# Altium PCB top_INA_v1.PcbDoc (part 3 of 4) (continued)
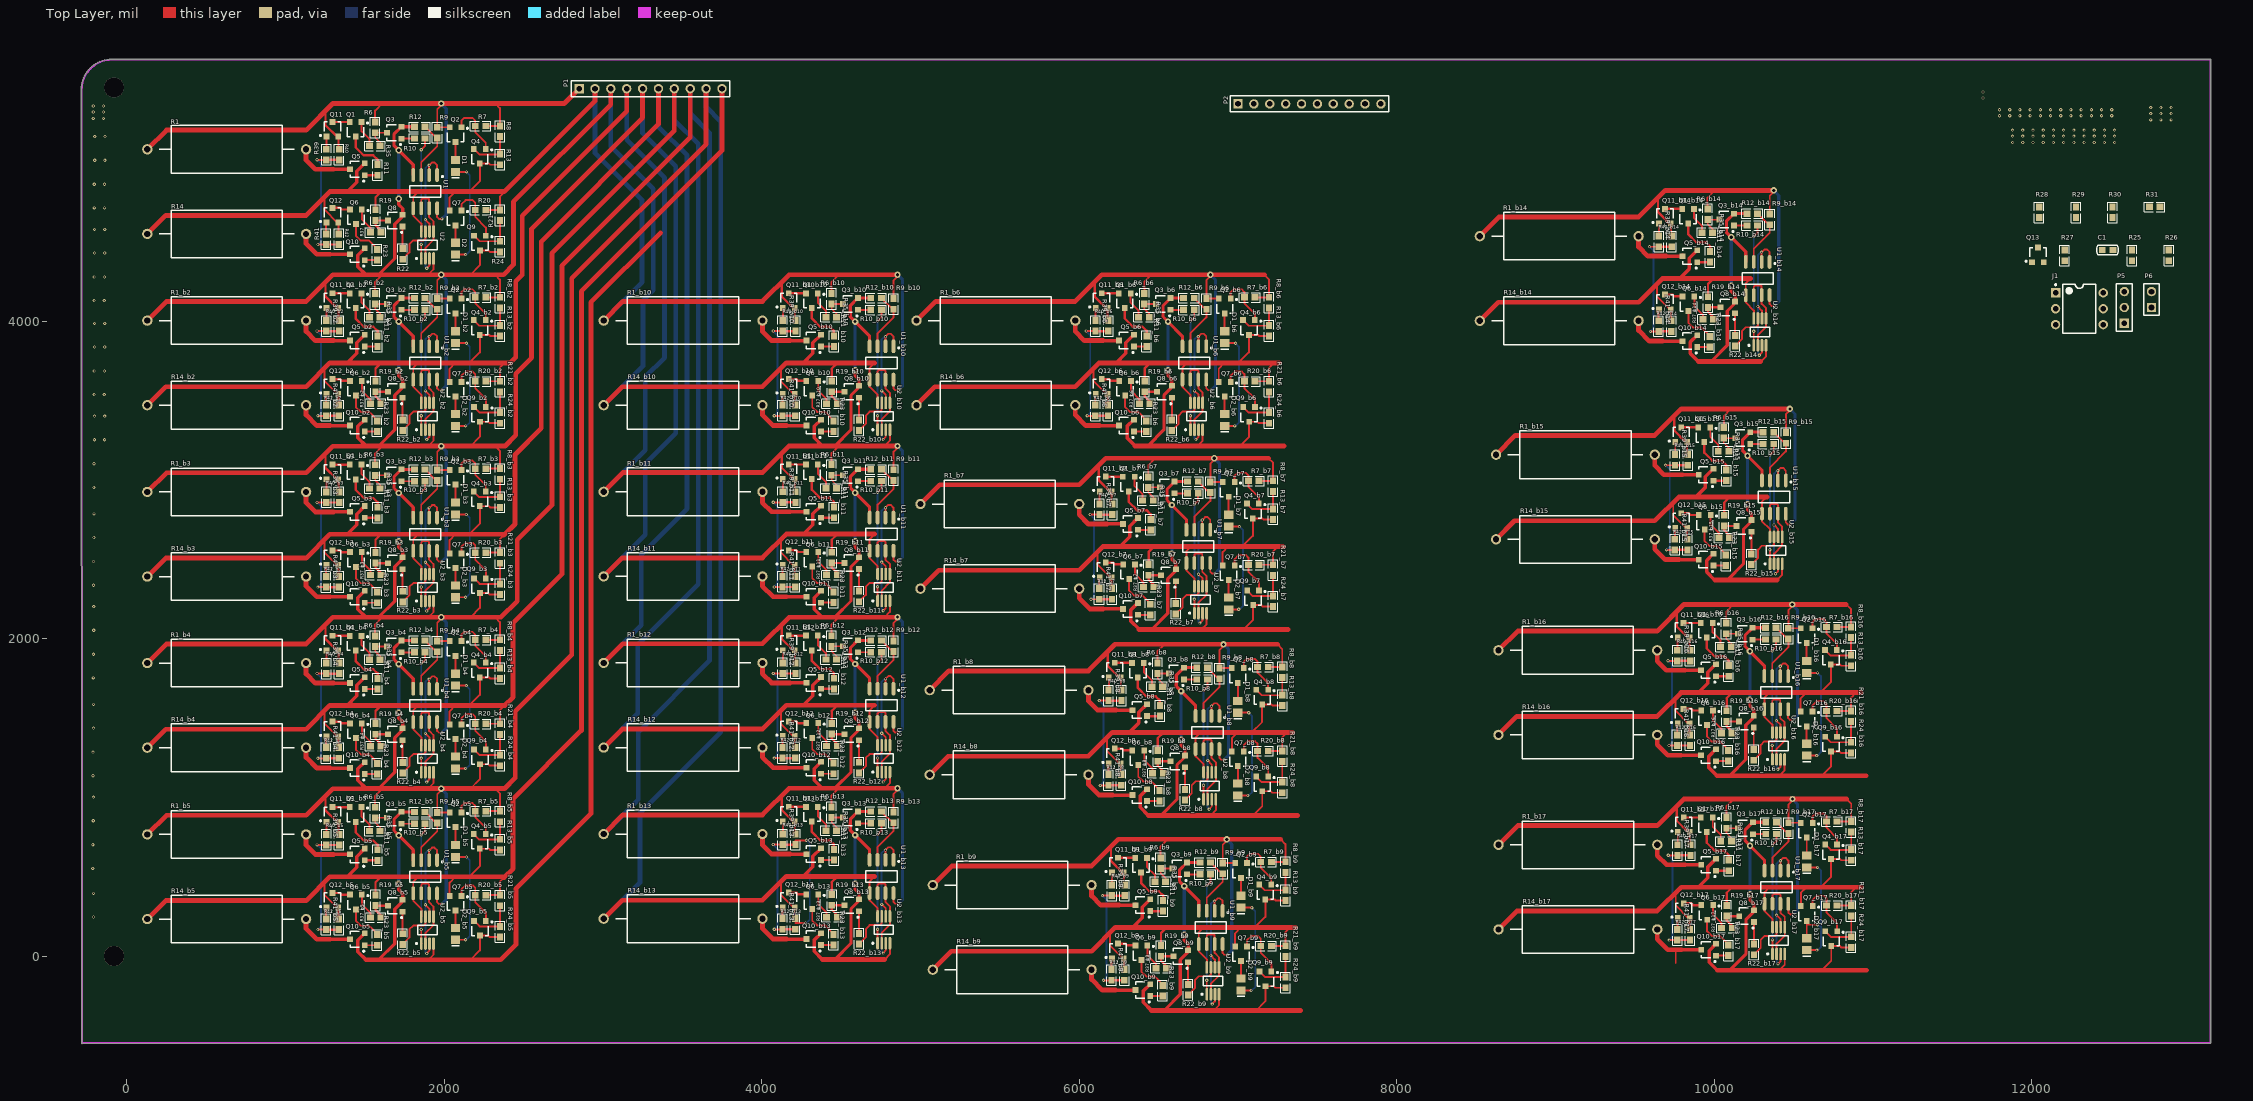
[diagram p0: Top Layer view]
## Nets (pads, with @x,y where several pads share a name; then routed paths per layer and width w, separated by ;. In a path a pad name is that pad's centre, name@x,y a point inside that pad or via, vN(x,y) a via of type N, cw(c..) or ccw(c..) an arc to the next point about the centre after c; other vN are vias at no path point) (continued)
  Bottom Layer w20: v2(10106.73,4223.28) v2(10106.73,4528.68) ; v2(10475.87,3447.02) 10507.87,3415.02 10507.87,2748.02 v1(10479.87,2720.02)
IN_A15: P2.4 Q2_b16.2 Q3_b15.2 Q4_b7.3 Q5_b7.2 Q7_b7.2 Q8_b15.2 Q10_b15.2 Q11_b16.2 Q12_b7.2 R1_b16.2 R6_b16.2 R7_b16.2 R8_b16.2 R9_b16.2 R12_b15.1 R13_b7.1 R14_b7.2 R19_b7.2 R20_b7.2 R21_b7.2 R40_b16.1 R42_b7.1 U1_b7.5 U1_b15.4 U1_b16.8 U2_b7.8 U2_b15.4 | length 10053.9
  Top Layer w12: 6116,2545.78 6116,2466 6195.26,2386.74 Q12_b7.2@6203.4,2386.74 6203.4,2318.06 R42_b7.1@6206,2315.46 ; 6705.87,2581.28 6674.87,2550.28 U1_b7.5@6674.87,2476.79 6674.87,2430.28 6725.48,2379.66 U2_b7.8@6725.48,2329.92 ; Q7_b7.2@6903.46,2461.54 6903.46,2544.87 6939.87,2581.28 ; 7027.87,2581.28 7093.87,2647.28 Q4_b7.3@7093.87,2758.02 7152.13,2758.02 7159.33,2750.81 R13_b7.1@7220.87,2750.81 ; R20_b7.2@7132.8,2465.74 R21_b7.2@7220.87,2465.74 7220.87,2550.28 7251.87,2581.28 ; Q11_b16.2@9843.4,2006.74 9843.4,1932.06 R40_b16.1@9848,1927.46 ; R6_b16.2@10074.87,2098.2 10074.87,2170.53 10119.61,2215.28 ; 10392.87,2368.02 10393.8,2368.94 10427.25,2402.4 U2_b15.4@10427.25,2471.37 ; U1_b16.8@10464.87,1555.79 10464.87,1500.28 10476.87,1488.28 v1(10494.87,1488.28) ; v2(10490.87,2215.28) 10490.87,2205.28 10465.87,2180.28 R9_b16.2@10465.87,2065.74 10543.26,2065.74 Q2_b16.2@10543.46,2065.54 ; R7_b16.2@10772.33,2073.28 10860.4,2073.28 R8_b16.2@10860.87,2073.74 10860.87,2185.66 10831.25,2215.28
  Top Layer w15: R19_b7.2@6436.87,2466.74 6436.87,2546.28 6471.87,2581.28 6475.87,2581.28 ; 9762,2164.53 9762,2078.56 Q11_b16.2@9833.82,2006.74
  Top Layer w20: Q11_b16.2@9833.82,2006.74 Q11_b16.2@9843.4,2006.74 ; 10083.87,2371.55 10182.87,2470.55 10182.87,2687.57 10233.13,2737.83 10233.13,2785.76 10208.73,2810.15 v2(10208.73,2847.02) ; 10103.87,2368.02 10104.8,2368.94 ; U1_b15.4@10299.87,2996.5 10299.87,3061.28 v2(10208.73,3152.42) 10177.73,3183.42 10177.73,3252.56 Q3_b15.2@10225.99,3300.82 R12_b15.1@10306.87,3300.82
  Top Layer w22: 6257.87,2581.28 6317.87,2641.28 6317.87,2708.42 Q5_b7.2@6369.13,2759.68 ; Q10_b15.2@9994.13,2535.42 9950.87,2492.16 9950.87,2420.02 10001.94,2368.94
  Top Layer w30: R14_b7.2@5000,2315 5116.28,2431.28 6000,2431.28 6150,2581.28 6257.87,2581.28 6471.87,2581.28 ; 6475.87,2581.28 6705.87,2581.28 6939.87,2581.28 7027.87,2581.28 7251.87,2581.28 7285.4,2581.28 ; R1_b16.2@8640,1927 8761.02,2048.02 9640,2048.02 9807.25,2215.28 10119.61,2215.28 v2(10490.87,2215.28) ; 10001.94,2368.94 10104.8,2368.94 10393.8,2368.94 ; v2@10500.87,2215.28 10831.25,2215.28
  Bottom Layer w20: v2(10208.73,2847.02) v2(10208.73,3152.42) ; v2(10490.87,2215.28) 10522.87,2183.28 10522.87,1516.28 v1(10494.87,1488.28)
IN_A16: P2.6 Q2_b17.2 Q3_b16.2 Q4_b8.3 Q5_b8.2 Q7_b8.2 Q8_b16.2 Q9_b16.3 Q10_b16.2 Q11_b17.2 Q12_b8.2 R1_b17.2 R6_b17.2 R7_b17.2 R8_b17.2 R9_b17.2 R12_b16.1 R13_b8.1 R14_b8.2 R19_b8.2 R20_b8.2 R21_b8.2 R24_b16.1 R40_b17.1 R42_b8.1 U1_b8.5 U1_b16.4 U1_b17.8 U2_b8.8 U2_b16.4 | length 10908.8
  Top Layer w12: 6174,1373.78 6174,1294 6253.26,1214.74 Q12_b8.2@6261.4,1214.74 6261.4,1146.06 R42_b8.1@6264,1143.46 ; 6763.87,1409.28 6732.87,1378.28 U1_b8.5@6732.87,1304.79 6732.87,1258.28 6783.48,1207.66 U2_b8.8@6783.48,1157.92 ; Q7_b8.2@6961.46,1289.54 6961.46,1372.87 6997.87,1409.28 ; 7085.87,1409.28 7151.87,1475.28 Q4_b8.3@7151.87,1586.02 7210.13,1586.02 7217.33,1578.81 R13_b8.1@7278.87,1578.81 ; R20_b8.2@7190.8,1293.74 R21_b8.2@7278.87,1293.74 7278.87,1378.28 7309.87,1409.28 ; Q11_b17.2@9844.4,781.48 9844.4,706.8 R40_b17.1@9849,702.2 ; R6_b17.2@10075.87,872.94 10075.87,945.27 10120.61,990.02 ; 10407.87,1136.28 10408.8,1137.2 10442.25,1170.66 U2_b16.4@10442.25,1239.63 ; U1_b17.8@10465.87,330.53 10465.87,275.02 10477.87,263.02 v1(10495.87,263.02) ; v2(10491.87,990.02) 10491.87,980.02 10466.87,955.02 R9_b17.2@10466.87,840.48 10544.26,840.48 Q2_b17.2@10544.46,840.28 ; 10675.25,1137.2 10734.87,1196.82 Q9_b16.3@10734.87,1290.02 10787.61,1290.02 10796.81,1280.81 R24_b16.1@10860.87,1280.81 ; R7_b17.2@10773.33,848.02 10861.4,848.02 R8_b17.2@10861.87,848.48 10861.87,960.4 10832.25,990.02
  Top Layer w15: R19_b8.2@6494.87,1294.74 6494.87,1374.28 6529.87,1409.28 6533.87,1409.28 ; 9763,939.27 9763,853.3 Q11_b17.2@9834.82,781.48
  Top Layer w20: Q11_b17.2@9834.82,781.48 Q11_b17.2@9844.4,781.48 ; 10098.87,1139.81 10197.87,1238.81 10197.87,1455.83 10248.13,1506.09 10248.13,1554.02 10223.73,1578.41 v2(10223.73,1615.28) ; 10118.87,1136.28 10119.8,1137.2 ; U1_b16.4@10314.87,1764.76 10314.87,1829.54 v2(10223.73,1920.68) 10192.73,1951.68 10192.73,2020.82 Q3_b16.2@10240.99,2069.08 R12_b16.1@10321.87,2069.08
  Top Layer w22: 6315.87,1409.28 6375.87,1469.28 6375.87,1536.42 Q5_b8.2@6427.13,1587.68 ; Q10_b16.2@10009.13,1303.68 9965.87,1260.42 9965.87,1188.28 10016.94,1137.2
  Top Layer w30: R14_b8.2@5058,1143 5174.28,1259.28 6058,1259.28 6208,1409.28 6315.87,1409.28 6529.87,1409.28 ; 6533.87,1409.28 6763.87,1409.28 6997.87,1409.28 7085.87,1409.28 7309.87,1409.28 7343.4,1409.28 ; R1_b17.2@8641,701.74 8762.02,822.76 9641,822.76 9808.25,990.02 10120.61,990.02 v2(10491.87,990.02) ; 10016.94,1137.2 10119.8,1137.2 10408.8,1137.2 10675.25,1137.2 10956.32,1137.2 ; v2@10501.87,990.02 10832.25,990.02
  Bottom Layer w20: v2(10223.73,1615.28) v2(10223.73,1920.68) ; v2(10491.87,990.02) 10523.87,958.02 10523.87,291.02 v1(10495.87,263.02)
IN_A17: R25.1
IN_B8: P2.8 Q3_b17.2 Q4_b9.3 Q5_b9.2 Q7_b9.2 Q8_b17.2 Q9_b17.3 Q10_b17.2 Q12_b9.2 R12_b17.1 R13_b9.1 R14_b9.2 R19_b9.2 R20_b9.2 R21_b9.2 R24_b17.1 R42_b9.1 U1_b9.5 U1_b17.4 U2_b9.8 U2_b17.4 | length 6871.8
  Top Layer w12: 6194,145.78 6194,66 6273.26,-13.26 Q12_b9.2@6281.4,-13.26 6281.4,-81.94 R42_b9.1@6284,-84.54 ; 6783.87,181.28 6752.87,150.28 U1_b9.5@6752.87,76.79 6752.87,30.28 6803.48,-20.34 U2_b9.8@6803.48,-70.08 ; Q7_b9.2@6981.46,61.54 6981.46,144.87 7017.87,181.28 ; 7105.87,181.28 7171.87,247.28 Q4_b9.3@7171.87,358.02 7230.13,358.02 7237.33,350.81 R13_b9.1@7298.87,350.81 ; R20_b9.2@7210.8,65.74 R21_b9.2@7298.87,65.74 7298.87,150.28 7329.87,181.28 ; 10408.87,-88.98 10409.8,-88.06 10443.25,-54.6 U2_b17.4@10443.25,14.37 ; 10676.25,-88.06 10735.87,-28.44 Q9_b17.3@10735.87,64.76 10788.61,64.76 10797.81,55.55 R24_b17.1@10861.87,55.55
  Top Layer w15: R19_b9.2@6514.87,66.74 6514.87,146.28 6549.87,181.28 6553.87,181.28
  Top Layer w20: 10099.87,-85.45 10198.87,13.55 10198.87,230.57 10249.13,280.83 10249.13,328.76 10224.73,353.15 v2(10224.73,390.02) ; 10119.87,-88.98 10120.8,-88.06 ; U1_b17.4@10315.87,539.5 10315.87,604.28 v2(10224.73,695.42) 10193.73,726.42 10193.73,795.56 Q3_b17.2@10241.99,843.82 R12_b17.1@10322.87,843.82
  Top Layer w22: 6335.87,181.28 6395.87,241.28 6395.87,308.42 Q5_b9.2@6447.13,359.68 ; Q10_b17.2@10010.13,78.42 9966.87,35.16 9966.87,-36.98 10017.94,-88.06
  Top Layer w30: R14_b9.2@5078,-85 5194.28,31.28 6078,31.28 6228,181.28 6335.87,181.28 6549.87,181.28 ; 6553.87,181.28 6783.87,181.28 7017.87,181.28 7105.87,181.28 7329.87,181.28 7363.4,181.28 ; 10017.94,-88.06 10120.8,-88.06 10409.8,-88.06 10676.25,-88.06 10957.32,-88.06
  Bottom Layer w20: v2(10224.73,390.02) v2(10224.73,695.42)
IN_C8: P2.9 P2.10 Q3_b9.2 Q8_b9.2 Q9_b9.3 Q10_b9.2 Q13.2 R12_b9.1 R24_b9.1 R28.1 U1_b9.4 U2_b9.4 | length 2879.7
  Top Layer w12: 6845.87,-342.72 6846.8,-341.8 6880.25,-308.34 U2_b9.4@6880.25,-239.37 ; 7113.25,-341.8 7172.87,-282.18 Q9_b9.3@7172.87,-188.98 7225.61,-188.98 7234.81,-198.19 R24_b9.1@7298.87,-198.19
  Top Layer w20: 6536.87,-339.19 6635.87,-240.19 6635.87,-23.17 6686.13,27.09 Q8_b9.2@6686.13,36.68 6686.13,75.02 6661.73,99.41 v2(6661.73,136.28) ; 6556.87,-342.72 6557.8,-341.8 ; U1_b9.4@6752.87,285.76 6752.87,350.54 v2(6661.73,441.68) 6630.73,472.68 6630.73,541.82 Q3_b9.2@6678.99,590.08 R12_b9.1@6759.87,590.08
  Top Layer w22: Q10_b9.2@6447.13,-175.32 6403.87,-218.58 6403.87,-290.72 6454.94,-341.8
  Top Layer w30: 6454.94,-341.8 6557.8,-341.8 6846.8,-341.8 7113.25,-341.8 7394.32,-341.8
  Bottom Layer w20: v2(6661.73,136.28) v2(6661.73,441.68)
NetD1_1: D1.1 Q2.3 | length 113.3
  Top Layer w12: D1.1@2071.87,5014.94 Q2.3@2071.87,5128.28
NetD1_b2_1: D1_b2.1 Q2_b2.3 | length 113.3
  Top Layer w12: D1_b2.1@2071.87,3935.94 Q2_b2.3@2071.87,4049.28
NetD1_b3_1: D1_b3.1 Q2_b3.3 | length 113.3
  Top Layer w12: D1_b3.1@2071.87,2856.94 Q2_b3.3@2071.87,2970.28
NetD1_b4_1: D1_b4.1 Q2_b4.3 | length 113.3
  Top Layer w12: D1_b4.1@2071.87,1778.94 Q2_b4.3@2071.87,1892.28
NetD1_b5_1: D1_b5.1 Q2_b5.3 | length 113.3
  Top Layer w12: D1_b5.1@2071.87,699.94 Q2_b5.3@2071.87,813.28
NetD1_b6_1: D1_b6.1 Q2_b6.3 | length 113.3
  Top Layer w12: D1_b6.1@6915.87,3935.94 Q2_b6.3@6915.87,4049.28
NetD1_b7_1: D1_b7.1 Q2_b7.3 | length 113.3
  Top Layer w12: D1_b7.1@6940.87,2780.68 Q2_b7.3@6940.87,2894.02
NetD1_b8_1: D1_b8.1 Q2_b8.3 | length 113.3
  Top Layer w12: D1_b8.1@6998.87,1608.68 Q2_b8.3@6998.87,1722.02
NetD1_b9_1: D1_b9.1 Q2_b9.3 | length 113.3
  Top Layer w12: D1_b9.1@7018.87,380.68 Q2_b9.3@7018.87,494.02
NetD1_b10_1: 
NetD1_b11_1: 
NetD1_b12_1: 
NetD1_b13_1: 
NetD1_b14_1: 
NetD1_b15_1: 
NetD1_b16_1: D1_b16.1 Q2_b16.3 | length 113.3
  Top Layer w12: D1_b16.1@10580.87,1859.68 Q2_b16.3@10580.87,1973.02
NetD1_b17_1: D1_b17.1 Q2_b17.3 | length 113.3
  Top Layer w12: D1_b17.1@10581.87,634.42 Q2_b17.3@10581.87,747.76
NetD2_1: D2.1 Q7.3 | length 109.3
  Top Layer w12: D2.1@2071.87,4493.94 Q7.3@2071.87,4603.28
NetD2_b2_1: D2_b2.1 Q7_b2.3 | length 109.3
  Top Layer w12: D2_b2.1@2071.87,3414.94 Q7_b2.3@2071.87,3524.28
NetD2_b3_1: D2_b3.1 Q7_b3.3 | length 109.3
  Top Layer w12: D2_b3.1@2071.87,2335.94 Q7_b3.3@2071.87,2445.28
NetD2_b4_1: D2_b4.1 Q7_b4.3 | length 109.3
  Top Layer w12: D2_b4.1@2071.87,1257.94 Q7_b4.3@2071.87,1367.28
NetD2_b5_1: D2_b5.1 Q7_b5.3 | length 109.3
  Top Layer w12: D2_b5.1@2071.87,178.94 Q7_b5.3@2071.87,288.28
NetD2_b6_1: D2_b6.1 Q7_b6.3 | length 109.3
  Top Layer w12: D2_b6.1@6915.87,3414.94 Q7_b6.3@6915.87,3524.28
NetD2_b7_1: D2_b7.1 Q7_b7.3 | length 109.3
  Top Layer w12: D2_b7.1@6940.87,2259.68 Q7_b7.3@6940.87,2369.02
NetD2_b8_1: D2_b8.1 Q7_b8.3 | length 109.3
  Top Layer w12: D2_b8.1@6998.87,1087.68 Q7_b8.3@6998.87,1197.02
NetD2_b9_1: D2_b9.1 Q7_b9.3 | length 109.3
  Top Layer w12: D2_b9.1@7018.87,-140.32 Q7_b9.3@7018.87,-30.98
NetD2_b10_1: 
NetD2_b11_1: 
NetD2_b12_1: 
NetD2_b13_1: 
NetD2_b14_1: 
NetD2_b15_1: 
NetD2_b16_1: D2_b16.1 Q7_b16.3 | length 109.3
  Top Layer w12: D2_b16.1@10580.87,1338.68 Q7_b16.3@10580.87,1448.02
NetD2_b17_1: D2_b17.1 Q7_b17.3 | length 109.3
  Top Layer w12: D2_b17.1@10581.87,113.42 Q7_b17.3@10581.87,222.76
NetJ1_1: J1.1 R25.2
NetJ1_2: J1.2 Q13.3
NetJ1_5: J1.5 R27.1
NetJ1_6: J1.6 R26.1
NetQ1_1: Q1.1 R35.2 | length 171.2
  Top Layer w12: Q1.1@1479.8,5254.26 1479.8,5195.06 1530.4,5144.46 R35.2@1530.4,5104
NetQ1_2: Q1.2 Q11.3 | length 107.7
  Top Layer w15: Q11.3@1297.26,5254.26 Q1.2@1405,5254.26
NetQ1_3: Q1.3 R11.2 | length 268.8
  Top Layer w15: Q1.3@1442.4,5161.74 1442.4,5095.46 1493.87,5044 1554.26,5044 1581,5017.26 R11.2@1581,4985.72
NetQ1_b2_1: Q1_b2.1 R35_b2.2 | length 171.2
  Top Layer w12: Q1_b2.1@1479.8,4175.26 1479.8,4116.06 1530.4,4065.46 R35_b2.2@1530.4,4025
NetQ1_b2_2: Q1_b2.2 Q11_b2.3 | length 107.7
  Top Layer w15: Q11_b2.3@1297.26,4175.26 Q1_b2.2@1405,4175.26
NetQ1_b2_3: Q1_b2.3 R11_b2.2 | length 268.8
  Top Layer w15: Q1_b2.3@1442.4,4082.74 1442.4,4016.46 1493.87,3965 1554.26,3965 1581,3938.26 R11_b2.2@1581,3906.72
NetQ1_b3_1: Q1_b3.1 R35_b3.2 | length 171.2
  Top Layer w12: Q1_b3.1@1479.8,3096.26 1479.8,3037.06 1530.4,2986.46 R35_b3.2@1530.4,2946
NetQ1_b3_2: Q1_b3.2 Q11_b3.3 | length 107.7
  Top Layer w15: Q11_b3.3@1297.26,3096.26 Q1_b3.2@1405,3096.26
NetQ1_b3_3: Q1_b3.3 R11_b3.2 | length 268.8
  Top Layer w15: Q1_b3.3@1442.4,3003.74 1442.4,2937.46 1493.87,2886 1554.26,2886 1581,2859.26 R11_b3.2@1581,2827.72
NetQ1_b4_1: Q1_b4.1 R35_b4.2 | length 171.2
  Top Layer w12: Q1_b4.1@1479.8,2018.26 1479.8,1959.06 1530.4,1908.46 R35_b4.2@1530.4,1868
NetQ1_b4_2: Q1_b4.2 Q11_b4.3 | length 107.7
  Top Layer w15: Q11_b4.3@1297.26,2018.26 Q1_b4.2@1405,2018.26
NetQ1_b4_3: Q1_b4.3 R11_b4.2 | length 268.8
  Top Layer w15: Q1_b4.3@1442.4,1925.74 1442.4,1859.46 1493.87,1808 1554.26,1808 1581,1781.26 R11_b4.2@1581,1749.72
NetQ1_b5_1: Q1_b5.1 R35_b5.2 | length 171.2
  Top Layer w12: Q1_b5.1@1479.8,939.26 1479.8,880.06 1530.4,829.46 R35_b5.2@1530.4,789
NetQ1_b5_2: Q1_b5.2 Q11_b5.3 | length 107.7
  Top Layer w15: Q11_b5.3@1297.26,939.26 Q1_b5.2@1405,939.26
NetQ1_b5_3: Q1_b5.3 R11_b5.2 | length 268.8
  Top Layer w15: Q1_b5.3@1442.4,846.74 1442.4,780.46 1493.87,729 1554.26,729 1581,702.26 R11_b5.2@1581,670.72
NetQ1_b6_1: Q1_b6.1 R35_b6.2 | length 171.2
  Top Layer w12: Q1_b6.1@6323.8,4175.26 6323.8,4116.06 6374.4,4065.46 R35_b6.2@6374.4,4025
NetQ1_b6_2: Q1_b6.2 Q11_b6.3 | length 107.7
  Top Layer w15: Q11_b6.3@6141.26,4175.26 Q1_b6.2@6249,4175.26
NetQ1_b6_3: Q1_b6.3 R11_b6.2 | length 268.8
  Top Layer w15: Q1_b6.3@6286.4,4082.74 6286.4,4016.46 6337.87,3965 6398.26,3965 6425,3938.26 R11_b6.2@6425,3906.72
NetQ1_b7_1: Q1_b7.1 R35_b7.2 | length 171.2
  Top Layer w12: Q1_b7.1@6348.8,3020 6348.8,2960.8 6399.4,2910.2 R35_b7.2@6399.4,2869.74
NetQ1_b7_2: Q1_b7.2 Q11_b7.3 | length 107.7
  Top Layer w15: Q11_b7.3@6166.26,3020 Q1_b7.2@6274,3020
NetQ1_b7_3: Q1_b7.3 R11_b7.2 | length 268.8
  Top Layer w15: Q1_b7.3@6311.4,2927.48 6311.4,2861.2 6362.87,2809.74 6423.26,2809.74 6450,2783 R11_b7.2@6450,2751.46
NetQ1_b8_1: Q1_b8.1 R35_b8.2 | length 171.2
  Top Layer w12: Q1_b8.1@6406.8,1848 6406.8,1788.8 6457.4,1738.2 R35_b8.2@6457.4,1697.74
NetQ1_b8_2: Q1_b8.2 Q11_b8.3 | length 107.7
  Top Layer w15: Q11_b8.3@6224.26,1848 Q1_b8.2@6332,1848
NetQ1_b8_3: Q1_b8.3 R11_b8.2 | length 268.8
  Top Layer w15: Q1_b8.3@6369.4,1755.48 6369.4,1689.2 6420.87,1637.74 6481.26,1637.74 6508,1611 R11_b8.2@6508,1579.46
NetQ1_b9_1: Q1_b9.1 R35_b9.2 | length 171.2
  Top Layer w12: Q1_b9.1@6426.8,620 6426.8,560.8 6477.4,510.2 R35_b9.2@6477.4,469.74
NetQ1_b9_2: Q1_b9.2 Q11_b9.3 | length 107.7
  Top Layer w15: Q11_b9.3@6244.26,620 Q1_b9.2@6352,620
NetQ1_b9_3: Q1_b9.3 R11_b9.2 | length 268.8
  Top Layer w15: Q1_b9.3@6389.4,527.48 6389.4,461.2 6440.87,409.74 6501.26,409.74 6528,383 R11_b9.2@6528,351.46
NetQ1_b10_1: Q1_b10.1 R35_b10.2 | length 171.2
  Top Layer w12: Q1_b10.1@4353.8,4175.26 4353.8,4116.06 4404.4,4065.46 R35_b10.2@4404.4,4025
NetQ1_b10_2: Q1_b10.2 Q11_b10.3 | length 107.7
  Top Layer w15: Q11_b10.3@4171.26,4175.26 Q1_b10.2@4279,4175.26
NetQ1_b10_3: Q1_b10.3 R11_b10.2 | length 268.8
  Top Layer w15: Q1_b10.3@4316.4,4082.74 4316.4,4016.46 4367.87,3965 4428.26,3965 4455,3938.26 R11_b10.2@4455,3906.72
NetQ1_b11_1: Q1_b11.1 R35_b11.2 | length 171.2
  Top Layer w12: Q1_b11.1@4353.8,3097.26 4353.8,3038.06 4404.4,2987.46 R35_b11.2@4404.4,2947
NetQ1_b11_2: Q1_b11.2 Q11_b11.3 | length 107.7
  Top Layer w15: Q11_b11.3@4171.26,3097.26 Q1_b11.2@4279,3097.26
NetQ1_b11_3: Q1_b11.3 R11_b11.2 | length 268.8
  Top Layer w15: Q1_b11.3@4316.4,3004.74 4316.4,2938.46 4367.87,2887 4428.26,2887 4455,2860.26 R11_b11.2@4455,2828.72
NetQ1_b12_1: Q1_b12.1 R35_b12.2 | length 171.2
  Top Layer w12: Q1_b12.1@4353.8,2019.26 4353.8,1960.06 4404.4,1909.46 R35_b12.2@4404.4,1869
NetQ1_b12_2: Q1_b12.2 Q11_b12.3 | length 107.7
  Top Layer w15: Q11_b12.3@4171.26,2019.26 Q1_b12.2@4279,2019.26
NetQ1_b12_3: Q1_b12.3 R11_b12.2 | length 268.8
  Top Layer w15: Q1_b12.3@4316.4,1926.74 4316.4,1860.46 4367.87,1809 4428.26,1809 4455,1782.26 R11_b12.2@4455,1750.72
NetQ1_b13_1: Q1_b13.1 R35_b13.2 | length 171.2
  Top Layer w12: Q1_b13.1@4353.8,941.26 4353.8,882.06 4404.4,831.46 R35_b13.2@4404.4,791
NetQ1_b13_2: Q1_b13.2 Q11_b13.3 | length 107.7
  Top Layer w15: Q11_b13.3@4171.26,941.26 Q1_b13.2@4279,941.26
NetQ1_b13_3: Q1_b13.3 R11_b13.2 | length 268.8
  Top Layer w15: Q1_b13.3@4316.4,848.74 4316.4,782.46 4367.87,731 4428.26,731 4455,704.26 R11_b13.2@4455,672.72
NetQ1_b14_1: Q1_b14.1 R35_b14.2 | length 171.2
  Top Layer w12: Q1_b14.1@9871.8,4707 9871.8,4647.8 9922.4,4597.2 R35_b14.2@9922.4,4556.74
NetQ1_b14_2: Q1_b14.2 Q11_b14.3 | length 107.7
  Top Layer w15: Q11_b14.3@9689.26,4707 Q1_b14.2@9797,4707
NetQ1_b14_3: Q1_b14.3 R11_b14.2 | length 268.8
  Top Layer w15: Q1_b14.3@9834.4,4614.48 9834.4,4548.2 9885.87,4496.74 9946.26,4496.74 9973,4470 R11_b14.2@9973,4438.46
NetQ1_b15_1: Q1_b15.1 R35_b15.2 | length 171.2
  Top Layer w12: Q1_b15.1@9973.8,3330.74 9973.8,3271.54 10024.4,3220.94 R35_b15.2@10024.4,3180.48
NetQ1_b15_2: Q1_b15.2 Q11_b15.3 | length 107.7
  Top Layer w15: Q11_b15.3@9791.26,3330.74 Q1_b15.2@9899,3330.74
NetQ1_b15_3: Q1_b15.3 R11_b15.2 | length 268.8
  Top Layer w15: Q1_b15.3@9936.4,3238.22 9936.4,3171.94 9987.87,3120.48 10048.26,3120.48 10075,3093.74 R11_b15.2@10075,3062.2
NetQ1_b16_1: Q1_b16.1 R35_b16.2 | length 171.2
  Top Layer w12: Q1_b16.1@9988.8,2099 9988.8,2039.8 10039.4,1989.2 R35_b16.2@10039.4,1948.74
NetQ1_b16_2: Q1_b16.2 Q11_b16.3 | length 107.7
  Top Layer w15: Q11_b16.3@9806.26,2099 Q1_b16.2@9914,2099
NetQ1_b16_3: Q1_b16.3 R11_b16.2 | length 268.8
  Top Layer w15: Q1_b16.3@9951.4,2006.48 9951.4,1940.2 10002.87,1888.74 10063.26,1888.74 10090,1862 R11_b16.2@10090,1830.46
NetQ1_b17_1: Q1_b17.1 R35_b17.2 | length 171.2
  Top Layer w12: Q1_b17.1@9989.8,873.74 9989.8,814.54 10040.4,763.94 R35_b17.2@10040.4,723.48
NetQ1_b17_2: Q1_b17.2 Q11_b17.3 | length 107.7
  Top Layer w15: Q11_b17.3@9807.26,873.74 Q1_b17.2@9915,873.74
NetQ1_b17_3: Q1_b17.3 R11_b17.2 | length 268.8
  Top Layer w15: Q1_b17.3@9952.4,781.22 9952.4,714.94 10003.87,663.48 10064.26,663.48 10091,636.74 R11_b17.2@10091,605.2
NetQ2_1: Q2.1 Q4.1 R7.1 | length 346.7
  Top Layer w12: Q2.1@2109.27,5220.8 2109.27,5260.94 2127.87,5279.54 2178.87,5279.54 2196.4,5262 R7.1@2196.4,5228.54 2196.4,5190.2 2262.27,5124.33 Q4.1@2262.27,5084.8
NetQ2_b2_1: Q2_b2.1 Q4_b2.1 R7_b2.1 | length 346.7
  Top Layer w12: Q2_b2.1@2109.27,4141.8 2109.27,4181.94 2127.87,4200.54 2178.87,4200.54 2196.4,4183 R7_b2.1@2196.4,4149.54 2196.4,4111.2 2262.27,4045.33 Q4_b2.1@2262.27,4005.8
NetQ2_b3_1: Q2_b3.1 Q4_b3.1 R7_b3.1 | length 346.7
  Top Layer w12: Q2_b3.1@2109.27,3062.8 2109.27,3102.94 2127.87,3121.54 2178.87,3121.54 2196.4,3104 R7_b3.1@2196.4,3070.54 2196.4,3032.2 2262.27,2966.33 Q4_b3.1@2262.27,2926.8
NetQ2_b4_1: Q2_b4.1 Q4_b4.1 R7_b4.1 | length 346.7
  Top Layer w12: Q2_b4.1@2109.27,1984.8 2109.27,2024.94 2127.87,2043.54 2178.87,2043.54 2196.4,2026 R7_b4.1@2196.4,1992.54 2196.4,1954.2 2262.27,1888.33 Q4_b4.1@2262.27,1848.8
NetQ2_b5_1: Q2_b5.1 Q4_b5.1 R7_b5.1 | length 346.7
  Top Layer w12: Q2_b5.1@2109.27,905.8 2109.27,945.94 2127.87,964.54 2178.87,964.54 2196.4,947 R7_b5.1@2196.4,913.54 2196.4,875.2 2262.27,809.33 Q4_b5.1@2262.27,769.8
NetQ2_b6_1: Q2_b6.1 Q4_b6.1 R7_b6.1 | length 346.7
  Top Layer w12: Q2_b6.1@6953.27,4141.8 6953.27,4181.94 6971.87,4200.54 7022.87,4200.54 7040.4,4183 R7_b6.1@7040.4,4149.54 7040.4,4111.2 7106.27,4045.33 Q4_b6.1@7106.27,4005.8
NetQ2_b7_1: Q2_b7.1 Q4_b7.1 R7_b7.1 | length 346.7
  Top Layer w12: Q2_b7.1@6978.27,2986.54 6978.27,3026.68 6996.87,3045.28 7047.87,3045.28 7065.4,3027.74 R7_b7.1@7065.4,2994.28 7065.4,2955.94 7131.27,2890.07 Q4_b7.1@7131.27,2850.54
NetQ2_b8_1: Q2_b8.1 Q4_b8.1 R7_b8.1 | length 346.7
  Top Layer w12: Q2_b8.1@7036.27,1814.54 7036.27,1854.68 7054.87,1873.28 7105.87,1873.28 7123.4,1855.74 R7_b8.1@7123.4,1822.28 7123.4,1783.94 7189.27,1718.07 Q4_b8.1@7189.27,1678.54
NetQ2_b9_1: Q2_b9.1 Q4_b9.1 R7_b9.1 | length 346.7
  Top Layer w12: Q2_b9.1@7056.27,586.54 7056.27,626.68 7074.87,645.28 7125.87,645.28 7143.4,627.74 R7_b9.1@7143.4,594.28 7143.4,555.94 7209.27,490.07 Q4_b9.1@7209.27,450.54
NetQ2_b10_1: 
NetQ2_b11_1: 
NetQ2_b12_1: 
NetQ2_b13_1: 
NetQ2_b14_1: 
NetQ2_b15_1: 
NetQ2_b16_1: Q2_b16.1 Q4_b16.1 R7_b16.1 | length 346.7
  Top Layer w12: Q2_b16.1@10618.27,2065.54 10618.27,2105.68 10636.87,2124.28 10687.87,2124.28 10705.4,2106.74 R7_b16.1@10705.4,2073.28 10705.4,2034.94 10771.27,1969.07 Q4_b16.1@10771.27,1929.54
NetQ2_b17_1: Q2_b17.1 Q4_b17.1 R7_b17.1 | length 346.7
  Top Layer w12: Q2_b17.1@10619.27,840.28 10619.27,880.42 10637.87,899.02 10688.87,899.02 10706.4,881.48 R7_b17.1@10706.4,848.02 10706.4,809.68 10772.27,743.81 Q4_b17.1@10772.27,704.28
NetQ3_1: Q3.1 R10.1 | length 80.9
  Top Layer w12: Q3.1@1731.99,5149.54 R10.1@1812.87,5149.54
NetQ3_3: Q3.3 R6.1 R35.1 | length 169
  Top Layer w10: R35.1@1597.33,5104 1597.33,5125.54 1566.27,5156.6 1566.27,5186.94 Q3.3@1639.47,5186.94
NetQ3_b2_1: Q3_b2.1 R10_b2.1 | length 80.9
  Top Layer w12: Q3_b2.1@1731.99,4070.54 R10_b2.1@1812.87,4070.54
NetQ3_b2_3: Q3_b2.3 R6_b2.1 R35_b2.1 | length 169
  Top Layer w10: R35_b2.1@1597.33,4025 1597.33,4046.54 1566.27,4077.6 1566.27,4107.94 Q3_b2.3@1639.47,4107.94
NetQ3_b3_1: Q3_b3.1 R10_b3.1 | length 80.9
  Top Layer w12: Q3_b3.1@1731.99,2991.54 R10_b3.1@1812.87,2991.54
NetQ3_b3_3: Q3_b3.3 R6_b3.1 R35_b3.1 | length 169
  Top Layer w10: R35_b3.1@1597.33,2946 1597.33,2967.54 1566.27,2998.6 1566.27,3028.94 Q3_b3.3@1639.47,3028.94
NetQ3_b4_1: Q3_b4.1 R10_b4.1 | length 80.9
  Top Layer w12: Q3_b4.1@1731.99,1913.54 R10_b4.1@1812.87,1913.54
NetQ3_b4_3: Q3_b4.3 R6_b4.1 R35_b4.1 | length 169
  Top Layer w10: R35_b4.1@1597.33,1868 1597.33,1889.54 1566.27,1920.6 1566.27,1950.94 Q3_b4.3@1639.47,1950.94
NetQ3_b5_1: Q3_b5.1 R10_b5.1 | length 80.9
  Top Layer w12: Q3_b5.1@1731.99,834.54 R10_b5.1@1812.87,834.54
NetQ3_b5_3: Q3_b5.3 R6_b5.1 R35_b5.1 | length 169
  Top Layer w10: R35_b5.1@1597.33,789 1597.33,810.54 1566.27,841.6 1566.27,871.94 Q3_b5.3@1639.47,871.94
NetQ3_b6_1: Q3_b6.1 R10_b6.1 | length 80.9
  Top Layer w12: Q3_b6.1@6575.99,4070.54 R10_b6.1@6656.87,4070.54
NetQ3_b6_3: Q3_b6.3 R6_b6.1 R35_b6.1 | length 169
  Top Layer w10: R35_b6.1@6441.33,4025 6441.33,4046.54 6410.27,4077.6 6410.27,4107.94 Q3_b6.3@6483.47,4107.94
NetQ3_b7_1: Q3_b7.1 R10_b7.1 | length 80.9
  Top Layer w12: Q3_b7.1@6600.99,2915.28 R10_b7.1@6681.87,2915.28
NetQ3_b7_3: Q3_b7.3 R6_b7.1 R35_b7.1 | length 169
  Top Layer w10: R35_b7.1@6466.33,2869.74 6466.33,2891.28 6435.27,2922.34 6435.27,2952.68 Q3_b7.3@6508.47,2952.68
NetQ3_b8_1: Q3_b8.1 R10_b8.1 | length 80.9
  Top Layer w12: Q3_b8.1@6658.99,1743.28 R10_b8.1@6739.87,1743.28
NetQ3_b8_3: Q3_b8.3 R6_b8.1 R35_b8.1 | length 169
  Top Layer w10: R35_b8.1@6524.33,1697.74 6524.33,1719.28 6493.27,1750.34 6493.27,1780.68 Q3_b8.3@6566.47,1780.68
NetQ3_b9_1: Q3_b9.1 R10_b9.1 | length 80.9
  Top Layer w12: Q3_b9.1@6678.99,515.28 R10_b9.1@6759.87,515.28
NetQ3_b9_3: Q3_b9.3 R6_b9.1 R35_b9.1 | length 169
  Top Layer w10: R35_b9.1@6544.33,469.74 6544.33,491.28 6513.27,522.34 6513.27,552.68 Q3_b9.3@6586.47,552.68
NetQ3_b10_1: Q3_b10.1 R10_b10.1 | length 80.9
  Top Layer w12: Q3_b10.1@4605.99,4070.54 R10_b10.1@4686.87,4070.54
NetQ3_b10_3: Q3_b10.3 R6_b10.1 R35_b10.1 | length 169
  Top Layer w10: R35_b10.1@4471.33,4025 4471.33,4046.54 4440.27,4077.6 4440.27,4107.94 Q3_b10.3@4513.47,4107.94
NetQ3_b11_1: Q3_b11.1 R10_b11.1 | length 80.9
  Top Layer w12: Q3_b11.1@4605.99,2992.54 R10_b11.1@4686.87,2992.54
NetQ3_b11_3: Q3_b11.3 R6_b11.1 R35_b11.1 | length 169
  Top Layer w10: R35_b11.1@4471.33,2947 4471.33,2968.54 4440.27,2999.6 4440.27,3029.94 Q3_b11.3@4513.47,3029.94
NetQ3_b12_1: Q3_b12.1 R10_b12.1 | length 80.9
  Top Layer w12: Q3_b12.1@4605.99,1914.54 R10_b12.1@4686.87,1914.54
NetQ3_b12_3: Q3_b12.3 R6_b12.1 R35_b12.1 | length 169
  Top Layer w10: R35_b12.1@4471.33,1869 4471.33,1890.54 4440.27,1921.6 4440.27,1951.94 Q3_b12.3@4513.47,1951.94
NetQ3_b13_1: Q3_b13.1 R10_b13.1 | length 80.9
  Top Layer w12: Q3_b13.1@4605.99,836.54 R10_b13.1@4686.87,836.54
NetQ3_b13_3: Q3_b13.3 R6_b13.1 R35_b13.1 | length 169
  Top Layer w10: R35_b13.1@4471.33,791 4471.33,812.54 4440.27,843.6 4440.27,873.94 Q3_b13.3@4513.47,873.94
NetQ3_b14_1: Q3_b14.1 R10_b14.1 | length 80.9
  Top Layer w12: Q3_b14.1@10123.99,4602.28 R10_b14.1@10204.87,4602.28
NetQ3_b14_3: Q3_b14.3 R6_b14.1 R35_b14.1 | length 169
  Top Layer w10: R35_b14.1@9989.33,4556.74 9989.33,4578.28 9958.27,4609.34 9958.27,4639.68 Q3_b14.3@10031.47,4639.68
NetQ3_b15_1: Q3_b15.1 R10_b15.1 | length 80.9
  Top Layer w12: Q3_b15.1@10225.99,3226.02 R10_b15.1@10306.87,3226.02
NetQ3_b15_3: Q3_b15.3 R6_b15.1 R35_b15.1 | length 169
  Top Layer w10: R35_b15.1@10091.33,3180.48 10091.33,3202.02 10060.27,3233.08 10060.27,3263.42 Q3_b15.3@10133.47,3263.42
NetQ3_b16_1: Q3_b16.1 R10_b16.1 | length 80.9
  Top Layer w12: Q3_b16.1@10240.99,1994.28 R10_b16.1@10321.87,1994.28
NetQ3_b16_3: Q3_b16.3 R6_b16.1 R35_b16.1 | length 169
  Top Layer w10: R35_b16.1@10106.33,1948.74 10106.33,1970.28 10075.27,2001.34 10075.27,2031.68 Q3_b16.3@10148.47,2031.68
NetQ3_b17_1: Q3_b17.1 R10_b17.1 | length 80.9
  Top Layer w12: Q3_b17.1@10241.99,769.02 R10_b17.1@10322.87,769.02
NetQ3_b17_3: Q3_b17.3 R6_b17.1 R35_b17.1 | length 169
  Top Layer w10: R35_b17.1@10107.33,723.48 10107.33,745.02 10076.27,776.08 10076.27,806.42 Q3_b17.3@10149.47,806.42
NetQ4_2: Q4.2 R8.1 R13.2 | length 290.8
  Top Layer w12: Q4.2@2187.46,5084.8 2222.17,5050.09 2351.87,5050.09 R13.2@2351.87,5052 R8.1@2351.87,5162.07
NetQ4_b2_2: Q4_b2.2 R8_b2.1 R13_b2.2 | length 290.8
  Top Layer w12: Q4_b2.2@2187.46,4005.8 2222.17,3971.09 2351.87,3971.09 R13_b2.2@2351.87,3973 R8_b2.1@2351.87,4083.07
NetQ4_b3_2: Q4_b3.2 R8_b3.1 R13_b3.2 | length 290.8
  Top Layer w12: Q4_b3.2@2187.46,2926.8 2222.17,2892.09 2351.87,2892.09 R13_b3.2@2351.87,2894 R8_b3.1@2351.87,3004.07
NetQ4_b4_2: Q4_b4.2 R8_b4.1 R13_b4.2 | length 290.8
  Top Layer w12: Q4_b4.2@2187.46,1848.8 2222.17,1814.09 2351.87,1814.09 R13_b4.2@2351.87,1816 R8_b4.1@2351.87,1926.07
NetQ4_b5_2: Q4_b5.2 R8_b5.1 R13_b5.2 | length 290.8
  Top Layer w12: Q4_b5.2@2187.46,769.8 2222.17,735.09 2351.87,735.09 R13_b5.2@2351.87,737 R8_b5.1@2351.87,847.07
NetQ4_b6_2: Q4_b6.2 R8_b6.1 R13_b6.2 | length 290.8
  Top Layer w12: Q4_b6.2@7031.46,4005.8 7066.17,3971.09 7195.87,3971.09 R13_b6.2@7195.87,3973 R8_b6.1@7195.87,4083.07
NetQ4_b7_2: Q4_b7.2 R8_b7.1 R13_b7.2 | length 290.8
  Top Layer w12: Q4_b7.2@7056.46,2850.54 7091.17,2815.83 7220.87,2815.83 R13_b7.2@7220.87,2817.74 R8_b7.1@7220.87,2927.81
NetQ4_b8_2: Q4_b8.2 R8_b8.1 R13_b8.2 | length 290.8
  Top Layer w12: Q4_b8.2@7114.46,1678.54 7149.17,1643.83 7278.87,1643.83 R13_b8.2@7278.87,1645.74 R8_b8.1@7278.87,1755.81
NetQ4_b9_2: Q4_b9.2 R8_b9.1 R13_b9.2 | length 290.8
  Top Layer w12: Q4_b9.2@7134.46,450.54 7169.17,415.83 7298.87,415.83 R13_b9.2@7298.87,417.74 R8_b9.1@7298.87,527.81
NetQ4_b10_2: 
NetQ4_b11_2: 
NetQ4_b12_2: 
NetQ4_b13_2: 
NetQ4_b14_2: 
NetQ4_b15_2: 
NetQ4_b16_2: Q4_b16.2 R8_b16.1 R13_b16.2 | length 290.8
  Top Layer w12: Q4_b16.2@10696.46,1929.54 10731.17,1894.83 10860.87,1894.83 R13_b16.2@10860.87,1896.74 R8_b16.1@10860.87,2006.81
NetQ4_b17_2: Q4_b17.2 R8_b17.1 R13_b17.2 | length 290.8
  Top Layer w12: Q4_b17.2@10697.46,704.28 10732.17,669.57 10861.87,669.57 R13_b17.2@10861.87,671.48 R8_b17.1@10861.87,781.55
NetQ5_1: Q5.1 R11.1 | length 80.5
  Top Layer w15: Q5.1@1500.46,4918.8 R11.1@1581,4918.8